# Altium PCB UmTRXv21.PcbDoc (part 10 of 19) (continued)
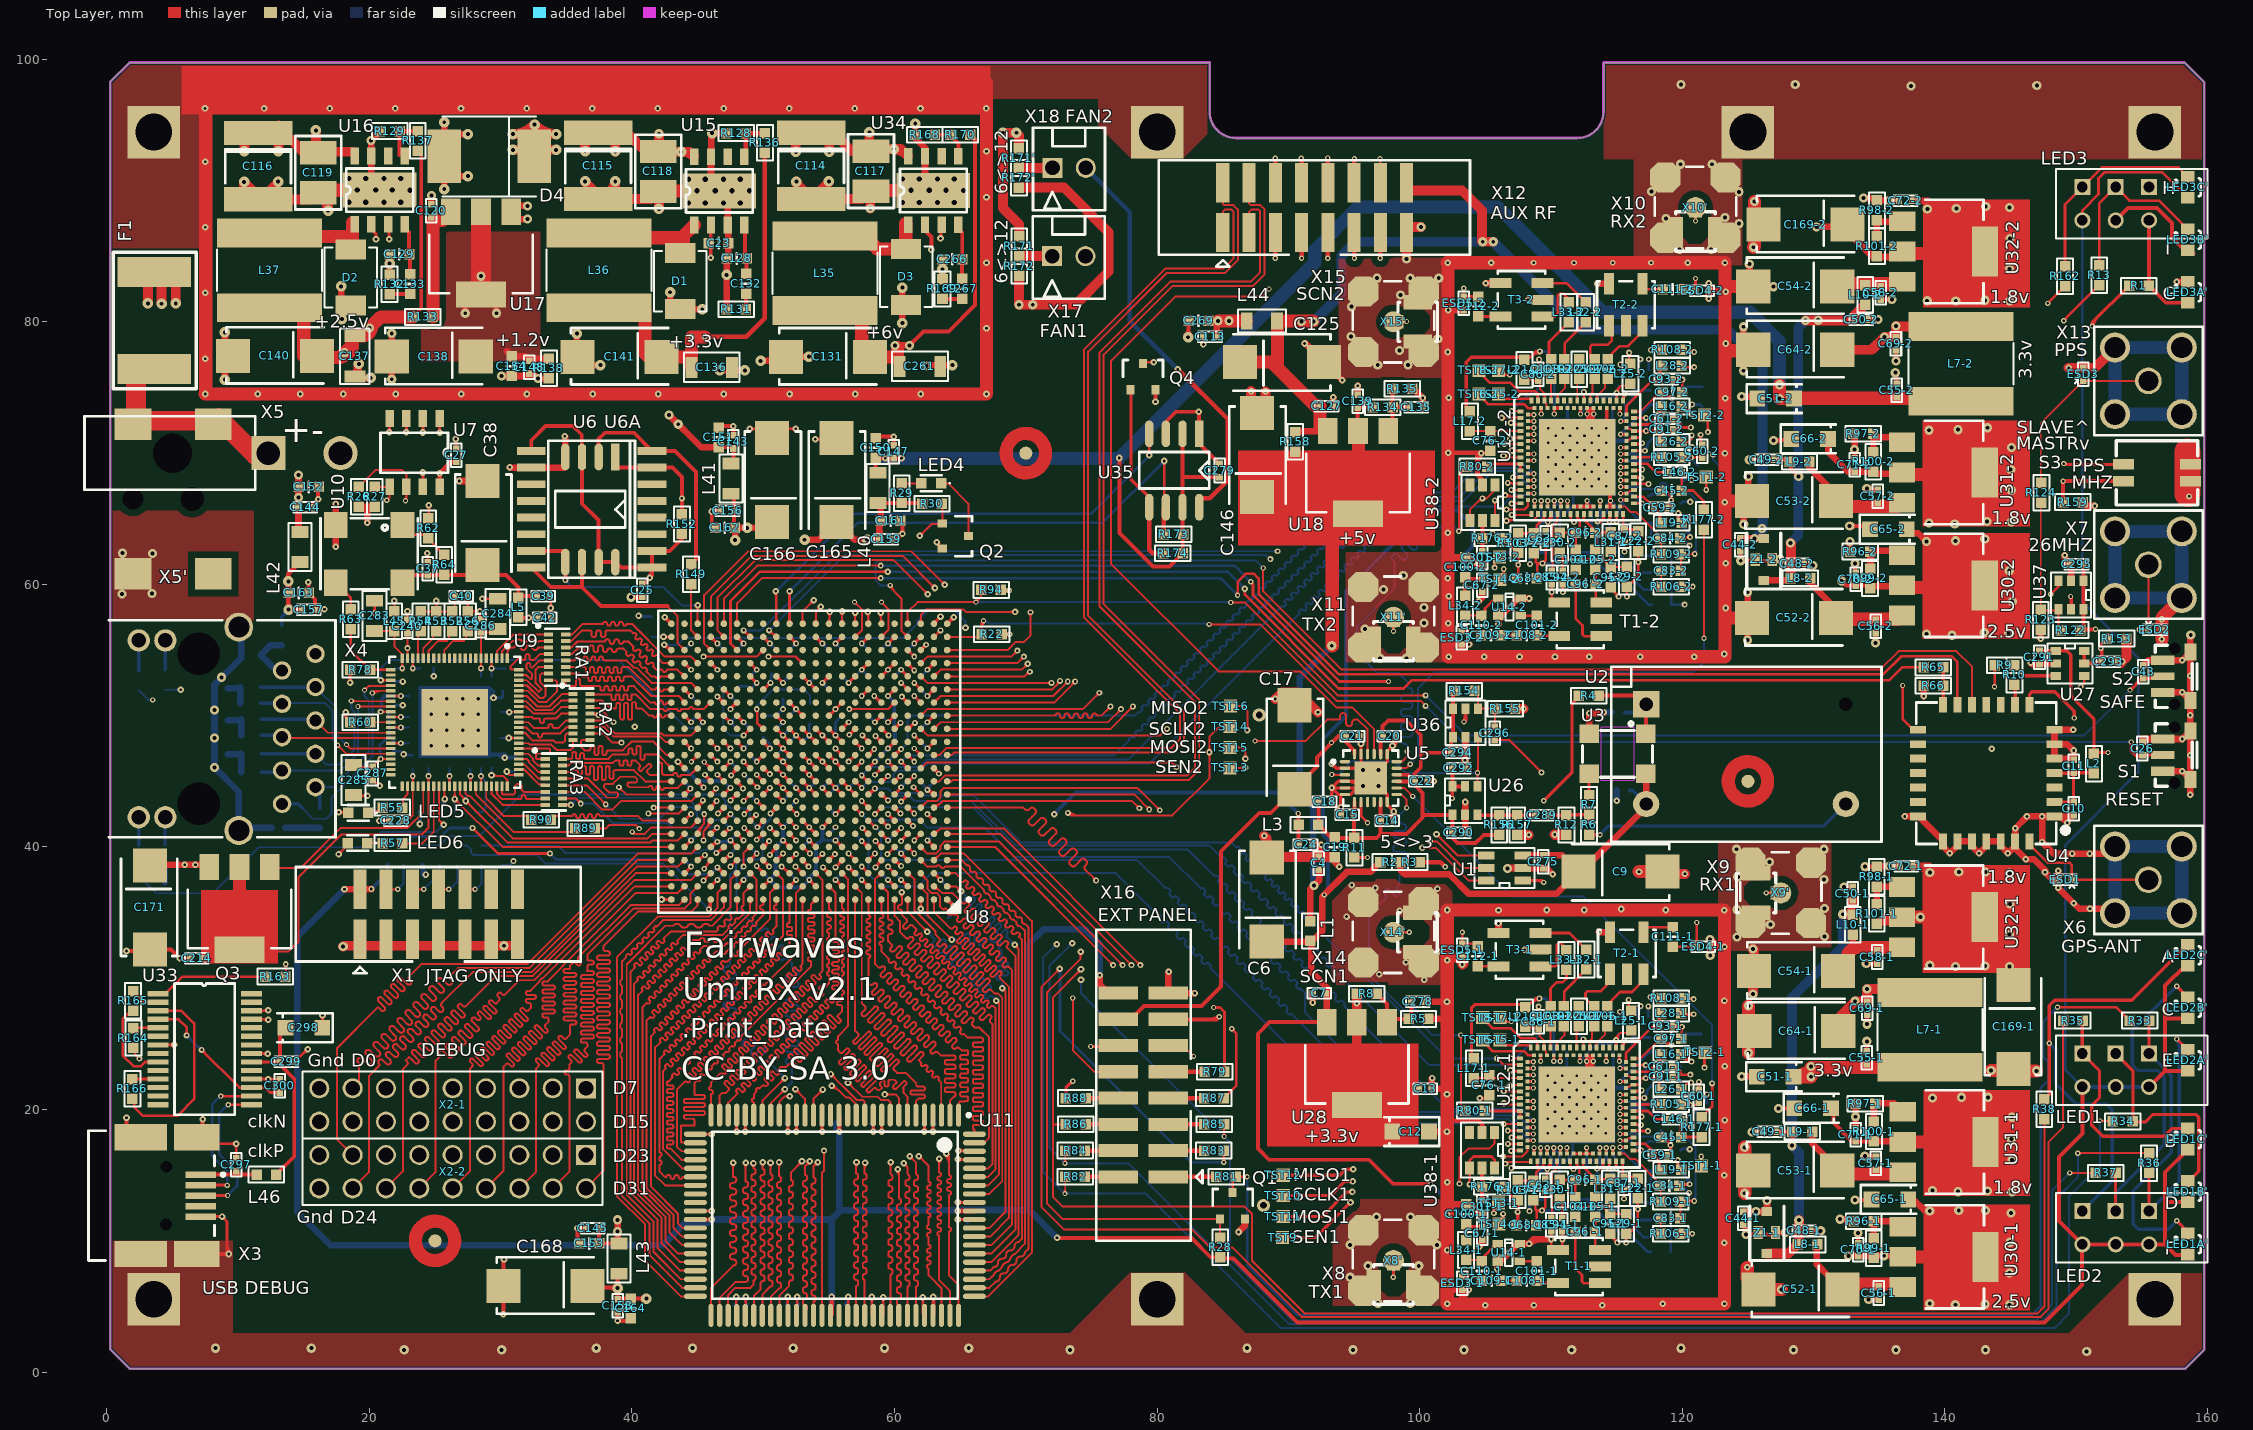
[diagram p0: Top Layer view]
## Nets (pads, with @x,y where several pads share a name; then routed paths per layer and width w, separated by ;. In a path a pad name is that pad's centre, name@x,y a point inside that pad or via, vN(x,y) a via of type N, cw(c..) or ccw(c..) an arc to the next point about the centre after c; other vN are vias at no path point) (continued)
  Bottom Layer w0.25: R43.1@2.425,40.125 2.425,42.266 X4.14@2.428,42.269 X4.14@2.425,42.272
NetR44_1: R44.1 X4.11 | length 2.3
  Bottom Layer w0.25: R44.1@4.425,53.475 4.46,53.51 X4.11@4.46,55.731
NetR45_2: R45.2 U9.25 X4.9 | length 14.9
  Top Layer w0.15: v4(19.625,51.95) 19.95,52.275 21.6,52.275 U9.25@21.625,52.3 ; v4@19.625,52.075 ccw(c19.625,52.377) 19.838,52.163 ccw(c20.052,51.95) v4@19.75,51.95
  Bottom Layer w0.15: X4.9@15.89,44.555 17.262,44.555 19.95,47.243 19.95,51.175 19.625,51.5 v4(19.625,51.95) ; v4@19.537,51.862 cw(c19.323,51.648) 19.625,51.648 cw(c19.927,51.648) v4@19.713,51.862
  Bottom Layer w0.25: X4.9@15.89,44.555 16.225,44.22 R45.2@16.225,42.925
NetR47_2: R47.2 U9.26 X4.10 | length 18.3
  Top Layer w0.15: v4@20.207,51.743 cw(c20.587,51.363) 20.587,51.9 ; v4(20.225,51.725) 20.4,51.9 ; v4@20.244,51.849 ccw(c20.271,52.029) 20.4,51.9 ; v4@20.313,51.637 cw(c20.949,51.001) 20.949,51.9 ; v4@20.349,51.744 cw(c20.529,51.771) 20.4,51.9 ; U9.26@21.625,51.9 20.4,51.9
  Bottom Layer w0.15: R47.2@14.875,42.975 15.7,42.15 16.725,42.15 17.125,42.55 17.125,43.775 20.225,46.875 v4(20.225,51.725) ; v4@20.137,51.637 cw(c19.923,51.423) 20.225,51.423 cw(c20.527,51.423) v4@20.313,51.637
  Bottom Layer w0.25: X4.10@13.35,43.285 14.565,43.285 R47.2@14.875,42.975
NetR48_2: R48.2 U9.28 X4.7 | length 15.7
  Top Layer w0.15: v4(18.625,51.125) 18.65,51.1 U9.28@21.625,51.1 ; v4@18.713,51.037 cw(c18.866,50.884) 18.866,51.1 ; v4@18.713,51.213 ccw(c18.987,51.487) 18.987,51.1
  Bottom Layer w0.15: X4.7@15.89,47.095 16.71,46.275 17.725,46.275 18.85,47.4 18.85,50.3 18.625,50.525 v4(18.625,51.125) ; v4@18.537,51.037 cw(c18.323,50.823) 18.625,50.823 cw(c18.927,50.823) v4@18.713,51.037
  Bottom Layer w0.25: R48.2@11.75,47.1 15.885,47.1 X4.7@15.89,47.095
NetR49_2: R49.2 U9.29 X4.8 | length 15
  Top Layer w0.15: v4(19.125,50.7) U9.29@21.625,50.7 ; v4@19.213,50.612 cw(c19.427,50.398) 19.427,50.7 cw(c19.427,51.002) v4@19.213,50.788
  Bottom Layer w0.15: X4.8@13.35,45.825 17.825,45.825 19.125,47.125 v4(19.125,50.7) ; v4@19.037,50.612 cw(c18.823,50.398) 19.125,50.398 cw(c19.427,50.398) v4@19.213,50.612
  Bottom Layer w0.25: R49.2@11.75,45.7 13.225,45.7 X4.8@13.35,45.825
NetR50_2: R50.2 U9.34 X4.5 | length 10.3
  Top Layer w0.15: X4.5@15.89,49.635 16.825,48.7 U9.34@21.625,48.7
  Bottom Layer w0.25: R50.2@11.75,49.725 15.8,49.725 X4.5@15.89,49.635
NetR51_2: R51.2 U9.35 X4.6 | length 10
  Top Layer w0.15: X4.6@13.35,48.365 13.415,48.3 U9.35@21.625,48.3
  Bottom Layer w0.25: R51.2@11.75,48.5 13.215,48.5 X4.6@13.35,48.365
NetR52_2: R52.2 U9.16 | length 2.9
  Top Layer w0.15: U9.16@24.5,54.375 24.5,54.95 25.25,55.7 25.9,55.7 26.05,55.85 R52.2@26.05,56.25
NetR53_2: R53.2 U9.17 | length 2.5
  Top Layer w0.15: U9.17@24.1,54.375 24.1,55.15 24.85,55.9 24.85,56.2 R53.2@25.1,56.45
NetR54_2: R54.2 U9.18 | length 2.2
  Top Layer w0.15: U9.18@23.7,54.375 23.7,56.25 R54.2@23.9,56.45
NetR55_2: R55.2 U9.44 | length 1.8
  Top Layer w0.15: R55.2@22.55,43 22.55,43.65 22.9,44 U9.44@22.9,44.625
NetR56_2: R56.2 U9.13 | length 3.3
  Top Layer w0.15: U9.13@25.7,54.375 25.7,55 26.4,55.7 27.2,55.7 27.35,55.85 27.35,56.3 R56.2@27.5,56.45
NetR57_2: R57.2 U9.49 | length 6.2
  Top Layer w0.15: R57.2@22.5,40.275 24.025,40.275 24.9,41.15 U9.49@24.9,44.625
NetR58_2: R58.2 U9.37 X4.3 | length 14
  Top Layer w0.15: v4@18.25,47.675 cw(c18.25,47.373) 18.463,47.587 cw(c18.677,47.8) v4@18.375,47.8 ; v4(18.25,47.8) 18.55,47.5 U9.37@21.625,47.5
  Bottom Layer w0.15: X4.3@15.89,52.175 17.5,50.565 17.5,48.55 v4(18.25,47.8) ; v4@18.125,47.8 ccw(c17.823,47.8) 18.037,48.013 ccw(c18.25,48.227) v4@18.25,47.925
  Bottom Layer w0.25: R58.2@11.675,52.175 X4.3@15.89,52.175
NetR59_2: R59.2 U9.38 X4.4 | length 13.9
  Top Layer w0.15: v4@17.575,47.625 cw(c17.575,47.323) 17.788,47.537 cw(c18.002,47.75) v4@17.7,47.75 ; v4(17.575,47.75) 18.225,47.1 U9.38@21.625,47.1
  Bottom Layer w0.15: X4.4@13.305,50.95 16.625,50.95 17.175,50.4 17.175,48.15 v4(17.575,47.75) ; v4@17.45,47.75 ccw(c17.148,47.75) 17.362,47.963 ccw(c17.575,48.177) v4@17.575,47.875
  Bottom Layer w0.25: R59.2@11.675,50.95 13.305,50.95 X4.4@13.35,50.905
NetR60_1: R60.1 U9.32 | length 1.6
  Top Layer w0.15: R60.1@20.05,49.5 U9.32@21.625,49.5
NetR61_1: R61.1 U9.51 | length 4.3
  Top Layer w0.15: v2@25.626,43.774 ccw(c25.448,43.952) 25.7,43.952 ; 25.7,44.193 ccw(c26.293,44.193) v2@25.874,43.774 ; U9.51@25.7,44.625 25.7,43.7 v2(25.75,43.65)
  Bottom Layer w0.15: R61.1@25.55,42.777 cw(c26.579,42.777) v2@25.87,43.523 ; R61.1@25.55,42.8 25.55,43.45 v2(25.75,43.65) ; 25.55,43.126 cw(c26.247,43.126) v2@25.767,43.632 ; 25.55,43.475 cw(c25.916,43.475) v2@25.664,43.741
NetR62_2: R62.2 R64.1 U10.1 | length 4.3
  Top Layer w0.2: U10.1@21.94,64.5 21.94,64.26 U10.1@22.45,63.75 ; U10.1@23.025,63.775 24.225,63.775 R62.2@24.475,63.525 24.525,63.475 24.525,63.425 R64.1@25.7,62.25
NetR63_1: R63.1 U10.3 | length 2.5
  Top Layer w0.2: U10.3@17.435,60.125 18.575,58.985 R63.1@18.575,58.1
NetR63_2: R63.2 R78.1 U9.22 | length 5.3
  Top Layer w0.2: R63.2@18.575,56.6 18.575,54.975 R78.1@20.05,53.5 U9.22@21.625,53.5
NetR65_2: R65.2 R66.2 U4.14 | length 2.9
  Top Layer w0.25: U4.14@139.85,50.825 139.875,50.85 R66.2@139.875,52.275 R65.2@139.875,53.675
NetR79_1: R79.1 X16.9 | length 2.8
  Top Layer w0.35: X16.9@80.85,22.875 R79.1@83.625,22.875
NetR80-1_2: R80-1.2 U12-1.17 U12-1.19 | length 3.2
  Top Layer w0.2: R80-1.2@105.025,19.675 105.238,19.888 U12-1.17@107.632,19.888 U12-1.19@107.632,19.388
NetR80-2_2: R80-2.2 U12-2.17 U12-2.19 | length 3.1
  Top Layer w0.25: R80-2.2@105.125,68.975 105.325,69.175 U12-2.17@107.671,69.175 ; U12-2.19@107.671,68.68 U12-2.17@107.671,69.175 ; U12-2.17@107.671,69.18 U12-2.17@107.671,69.175
NetR81_1: R81.1 X16.1 | length 3.7
  Top Layer w0.35: X16.1@80.85,14.875 R81.1@84.5,14.875
NetR82_1: R82.1 X16.2 | length 2.5
  Top Layer w0.35: R82.1@74.5,14.875 X16.2@77.05,14.875
NetR83_1: R83.1 X16.3 | length 2.7
  Top Layer w0.35: X16.3@80.85,16.875 R83.1@83.575,16.875
NetR84_1: R84.1 X16.4 | length 2.5
  Top Layer w0.35: R84.1@74.5,16.875 X16.4@77.05,16.875
NetR85_1: R85.1 X16.5 | length 2.7
  Top Layer w0.35: X16.5@80.85,18.875 R85.1@83.6,18.875
NetR86_1: R86.1 X16.6 | length 2.5
  Top Layer w0.35: R86.1@74.55,18.875 X16.6@77.05,18.875
NetR87_1: R87.1 X16.7 | length 2.7
  Top Layer w0.35: X16.7@80.85,20.875 R87.1@83.575,20.875
NetR88_1: R88.1 X16.8 | length 2.5
  Top Layer w0.35: R88.1@74.55,20.875 X16.8@77.05,20.875
NetR89_1: R89.1 U9.57 | length 9.5
  Top Layer w0.15: U9.57@28.1,44.625 28.1,44.025 31,41.125 35.375,41.125 R89.1@35.675,41.425
NetR90_2: R90.2 U9.59 | length 5
  Top Layer w0.15: U9.59@28.9,44.625 28.9,43.7 30.25,42.35 R90.2@32.4,42.35
NetR93_1: R93.1 U8.A3 | length 3.6
  Top Layer w0.15: v2@61.876,35.424 ccw(c61.578,35.722) 62,35.722 ccw(c62.422,35.722) v2@62.124,35.424 ; U8.A3@61.876,35.876 cw(c61.578,35.578) 62,35.578 cw(c62.422,35.578) U8.A3@62.124,35.876 ; v2(62,35.3) U8.A3@62,36
  Bottom Layer w0.15: v2@62,35.125 cw(c62,34.944) 62.128,35.072 ; v2(62,35.3) 62,35.2 R93.1@62.6,34.6 ; v2@62.175,35.3 ccw(c62.839,35.3) R93.1@62.369,34.831
NetR96-1_2: R96-1.2 R99-1.1 U30-1.1 | length 3.6
  Top Layer w0.5: R96-1.2@134.489,11.652 134.584,11.557 R96-1.2@134.584,11.496 ; R99-1.1@134.584,10.366 R96-1.2@134.584,11.496 ; U30-1.1@136.338,11.002 136.338,11.496 R96-1.2@134.584,11.496
NetR96-2_2: R96-2.2 R99-2.1 U30-2.1 | length 3.1
  Top Layer w0.5: R96-2.2@134.239,62.647 134.334,62.553 136.088,62.553 U30-2.1@136.088,61.997 ; R99-2.1@134.334,61.361 134.334,61.997
NetR97-1_2: R97-1.2 R100-1.1 U31-1.1 | length 3.9
  Top Layer w0.5: R100-1.1@134.59,19.077 134.59,20.477 136.14,20.477 U31-1.1@136.79,19.827
NetR97-2_2: R97-2.2 R100-2.1 U31-2.1 | length 2.9
  Top Layer w0.5: R97-2.2@134.45,71.2 R97-2.2@134.55,71.2 ; R100-2.1@134.55,69.9 R97-2.2@134.55,71.2 ; R97-2.2@134.55,71.3 R97-2.2@134.55,71.2 ; U31-2.1@136,71.2 R97-2.2@134.55,71.2
NetR98-1_2: R98-1.2 R101-1.1 U32-1.1 | length 3.2
  Top Layer w0.5: R101-1.1@134.8,35.8 R98-1.2@134.8,36.975 ; R98-1.2@134.8,37.072 R98-1.2@134.8,36.975 ; U32-1.1@136.74,36.956 136.74,36.975 R98-1.2@134.8,36.975
NetR98-2_2: R98-2.2 R101-2.1 U32-2.1 | length 3.1
  Top Layer w0.5: R98-2.2@134.7,87.622 136.55,87.622 U32-2.1@136.55,87.5 ; R101-2.1@134.8,86.5 R98-2.2@134.8,87.622
NetR104-1_2: R104-1.2 U12-1.72 | length 4.5
  Top Layer w0.2: v4@115.282,20.138 U12-1.72@115.707,20.138 ; v4@115.328,20.067 cw(c115.498,19.897) 115.498,20.138 cw(c115.498,20.379) v4@115.328,20.209
  Bottom Layer w0.2: v4(115.257,20.138) 117.112,20.138 117.512,19.738 R104-1.2@118.407,19.738 ; v4@115.328,20.067 cw(c115.498,19.897) 115.498,20.138 cw(c115.498,20.379) v4@115.328,20.209
NetR104-2_2: R104-2.2 U12-2.72 | length 4.5
  Top Layer w0.2: v4@115.321,69.43 U12-2.72@115.746,69.43 ; v4@115.367,69.359 cw(c115.537,69.188) 115.537,69.43 cw(c115.537,69.671) v4@115.367,69.501
  Bottom Layer w0.2: v4(115.296,69.43) 118.046,69.43 R104-2.2@118.446,69.03 ; v4@115.367,69.359 cw(c115.537,69.188) 115.537,69.43 cw(c115.537,69.671) v4@115.367,69.501
NetR105-1_2: R105-1.2 U12-1.73 | length 2.2
  Top Layer w0.2: U12-1.73@116.282,20.388 118.232,20.388 R105-1.2@118.407,20.563
NetR105-2_2: R105-2.2 U12-2.73 | length 2.2
  Top Layer w0.2: U12-2.73@116.321,69.68 118.271,69.68 R105-2.2@118.446,69.855
NetR107-1_2: R107-1.2 R114-1.1 | length 1.3
  Bottom Layer w0.2: R107-1.2@106.211,13.108 R114-1.1@107.461,13.108
NetR107-2_2: R107-2.2 R114-2.1 | length 1.3
  Bottom Layer w0.2: R107-2.2@106.25,62.4 R114-2.1@107.5,62.4
NetR108-1_2: R108-1.2 U12-1.89 | length 9.4
  Top Layer w0.2: v4@115.136,23.759 ccw(c114.966,23.93) 115.207,23.93 ccw(c115.448,23.93) v4@115.278,23.759 ; v4@115.207,23.713 U12-1.89@115.207,24.138 ; v1(117.561,28.558) 118.311,28.558 R108-1.2@118.461,28.408 ; v1@117.649,28.47 cw(c117.863,28.256) 117.863,28.558 cw(c117.863,28.86) v1@117.649,28.647
  MidLayer1 w0.2: v4(115.207,23.688) 116.061,24.542 116.061,27.858 116.761,28.558 v1(117.561,28.558) ; v4@115.207,23.788 ccw(c115.207,24.03) 115.378,23.859 ccw(c115.548,23.688) v4@115.307,23.688 ; v1@117.473,28.47 ccw(c117.259,28.256) 117.259,28.558 ccw(c117.259,28.86) v1@117.473,28.647
NetR108-2_2: R108-2.2 U12-2.89 | length 9.4
  Top Layer w0.2: v4@115.175,73.051 ccw(c115.005,73.221) 115.246,73.221 ccw(c115.487,73.221) v4@115.317,73.051 ; v4@115.246,73.005 U12-2.89@115.246,73.43 ; v1(117.6,77.85) 118.35,77.85 R108-2.2@118.5,77.7 ; v1@117.688,77.762 cw(c117.902,77.548) 117.902,77.85 cw(c117.902,78.152) v1@117.688,77.938
  MidLayer1 w0.2: v4(115.246,72.98) 116.1,73.834 116.1,77.15 116.8,77.85 v1(117.6,77.85) ; v4@115.246,73.08 ccw(c115.246,73.321) 115.417,73.151 ccw(c115.587,72.98) v4@115.346,72.98 ; v1@117.512,77.762 ccw(c117.298,77.548) 117.298,77.85 ccw(c117.298,78.152) v1@117.512,77.938
NetR110-1_2: R110-1.2 U12-1.52 | length 10.6
  Top Layer w0.2: v1@113.483,15.439 ccw(c113.574,15.662) 113.744,15.491 ; v1(113.511,15.508) 113.761,15.508 ; v1@113.558,15.624 ccw(c113.697,15.964) 113.957,15.704 ; v1@113.611,15.433 cw(c113.761,15.321) 113.761,15.508 ; v1@113.611,15.583 ccw(c113.761,15.696) 113.761,15.508 ; U12-1.52@113.957,16.063 113.957,15.704 ; 113.761,15.508 113.957,15.704
  Bottom Layer w0.2: v1@113.423,15.42 cw(c113.209,15.206) 113.511,15.206 cw(c113.813,15.206) v1@113.599,15.42 ; v1(113.511,15.508) 113.511,15.158 114.161,14.508 114.161,12.364 117.367,9.158 R110-1.2@117.611,9.158
NetR110-2_2: R110-2.2 U12-2.52 | length 10.6
  Top Layer w0.2: v1@113.522,64.731 ccw(c113.613,64.954) 113.783,64.783 ; v1(113.55,64.8) 113.8,64.8 ; v1@113.597,64.916 ccw(c113.736,65.256) 113.996,64.996 ; v1@113.65,64.725 cw(c113.8,64.613) 113.8,64.8 ; v1@113.65,64.875 ccw(c113.8,64.987) 113.8,64.8 ; U12-2.52@113.996,65.355 113.996,64.996 ; 113.8,64.8 113.996,64.996
  Bottom Layer w0.2: v1@113.462,64.712 cw(c113.248,64.498) 113.55,64.498 cw(c113.852,64.498) v1@113.638,64.712 ; v1(113.55,64.8) 113.55,62.325 117.425,58.45 R110-2.2@117.65,58.45
NetR111-1_2: R111-1.2 U12-1.51 | length 9.9
  Top Layer w0.2: v4@113.636,17.017 cw(c113.466,16.847) 113.707,16.847 cw(c113.948,16.847) v4@113.778,17.017 ; U12-1.51@113.707,16.638 v4@113.707,17.063
  Bottom Layer w0.2: v4@113.636,17.017 cw(c113.466,16.847) 113.707,16.847 cw(c113.948,16.847) v4@113.778,17.017 ; v4(113.707,17.088) 113.707,15.913 113.936,15.684 113.936,15.157 114.561,14.532 114.561,12.758 117.031,10.288 R111-1.2@117.607,10.288
NetR111-2_2: R111-2.2 U12-2.51 | length 9.9
  Top Layer w0.2: v4@113.675,66.309 cw(c113.505,66.138) 113.746,66.138 cw(c113.987,66.138) v4@113.817,66.309 ; U12-2.51@113.746,65.93 v4@113.746,66.355
  Bottom Layer w0.2: v4@113.675,66.309 cw(c113.505,66.138) 113.746,66.138 cw(c113.987,66.138) v4@113.817,66.309 ; v4(113.746,66.38) 113.746,65.205 113.975,64.976 113.975,64.449 114.6,63.824 114.6,62.05 117.07,59.58 R111-2.2@117.646,59.58
NetR112-1_2: R112-1.2 U12-1.54 | length 7.3
  Top Layer w0.2: v1@114.323,15.597 ccw(c113.998,15.921) U12-1.54@114.457,15.921 ; v1(114.411,15.508) 114.311,15.508 114.457,15.654 U12-1.54@114.457,16.063
  Bottom Layer w0.2: v1(114.411,15.508) 114.411,15.439 116.1,13.75 116.1,12.068 116.58,11.588 R112-1.2@117.607,11.588 ; v1@114.536,15.508 ccw(c115.005,15.508) 114.673,15.177
NetR112-2_2: R112-2.2 U12-2.54 | length 7.4
  Top Layer w0.2: v1@114.362,64.888 ccw(c114.037,65.213) U12-2.54@114.496,65.213 ; v1(114.45,64.8) 114.35,64.8 114.496,64.946 U12-2.54@114.496,65.355
  Bottom Layer w0.2: v1@114.362,64.712 cw(c114.148,64.498) 114.45,64.498 cw(c114.752,64.498) v1@114.538,64.712 ; v1(114.45,64.8) 114.45,64.399 114.9,63.949 114.9,62.599 116.619,60.88 R112-2.2@117.646,60.88
NetR113-1_2: R113-1.2 U12-1.56 | length 5.6
  Top Layer w0.2: v1@114.873,15.597 ccw(c114.669,15.8) 114.957,15.8 ; 114.957,15.82 ccw(c115.273,15.82) v1@115.049,15.597 ; U12-1.56@114.957,16.063 114.957,15.512 v1(114.961,15.508)
  Bottom Layer w0.2: v1@114.961,15.383 cw(c114.961,15.081) 115.174,15.295 cw(c115.388,15.508) v1@115.086,15.508 ; v1(114.961,15.508) 116.661,13.808 116.661,13.208 116.981,12.888 R113-1.2@117.607,12.888
NetR113-2_2: R113-2.2 U12-2.56 | length 5.9
  Top Layer w0.2: v1@114.912,64.888 ccw(c114.708,65.092) 114.996,65.092 ; 114.996,65.112 ccw(c115.312,65.112) v1@115.088,64.888 ; U12-2.56@114.996,65.355 114.996,64.804 v1(115,64.8)
  Bottom Layer w0.2: v1(115,64.8) 115.45,64.8 116.7,63.55 116.7,62.5 117.02,62.18 R113-2.2@117.646,62.18 ; v1@115.088,64.712 cw(c115.302,64.498) 115.302,64.8 cw(c115.302,65.102) v1@115.088,64.888
NetR114-1_2: R114-1.2 U12-1.39 | length 7.5
  Top Layer w0.2: v4@110.636,17.017 cw(c110.466,16.847) 110.707,16.847 cw(c110.948,16.847) v4@110.778,17.017 ; U12-1.39@110.707,16.638 v4@110.707,17.063
  Mid-Layer 2 w0.2: v1(107.511,13.858) 107.477,13.858 110.307,16.688 110.373,16.688 110.707,17.022 v4(110.707,17.088) ; v1@107.511,13.983 ccw(c107.511,14.203) 107.667,14.048 ; v1@107.636,13.858 cw(c108.02,13.858) 107.748,14.129 ; 110.49,16.805 ccw(c110.207,17.088) v4@110.607,17.088
  Bottom Layer w0.2: v1@107.423,13.947 ccw(c107.209,14.16) 107.511,14.16 ccw(c107.813,14.16) v1@107.599,13.947 ; R114-1.2@107.461,14.608 107.511,14.558 v1(107.511,13.858)
NetR114-2_2: R114-2.2 U12-2.39 | length 7.5
  Top Layer w0.2: v4@110.675,66.309 cw(c110.505,66.138) 110.746,66.138 cw(c110.987,66.138) v4@110.817,66.309 ; U12-2.39@110.746,65.93 v4@110.746,66.355
  Mid-Layer 2 w0.2: v1(107.55,63.15) 107.516,63.15 110.346,65.98 110.412,65.98 110.746,66.314 v4(110.746,66.38) ; v1@107.55,63.275 ccw(c107.55,63.495) 107.706,63.339 ; v1@107.675,63.15 cw(c108.059,63.15) 107.787,63.421 ; 110.529,66.097 ccw(c110.246,66.38) v4@110.646,66.38
  Bottom Layer w0.2: v1@107.462,63.238 ccw(c107.248,63.452) 107.55,63.452 ccw(c107.852,63.452) v1@107.638,63.238 ; R114-2.2@107.5,63.9 107.55,63.85 v1(107.55,63.15)
NetR122_1: R122.1 R123.1 R124.2 U37.4 | length 11.5
  Top Layer w0.15: R123.1@147.05,58.025 148.577,58.025 U37.4@148.662,58.11 148.662,56.688 R122.1@148.825,56.525 ; R123.1@147.3,58.05 R124.2@147.3,66.225
NetR125-1_1: R125-1.1 U12-1.100 | length 5.6
  Top Layer w0.15: v1@111.955,27.264 ccw(c111.699,27.52) 112.061,27.52 ccw(c112.423,27.52) v1@112.167,27.264 ; v1(112.061,27.158) R125-1.1@112.061,27.858 ; v1@112.355,25.252 cw(c112.109,25.006) 112.457,25.006 ; U12-1.100@112.457,24.713 112.457,25.304 112.461,25.308 v1(112.461,25.358) ; 112.457,24.986 cw(c112.833,24.986) v1@112.567,25.252
  Bottom Layer w0.15: v1@111.955,27.052 cw(c111.699,26.796) 112.061,26.796 cw(c112.423,26.796) v1@112.167,27.052 ; v1(112.061,27.158) 112.061,25.758 v1(112.461,25.358) ; v1@112.311,25.358 ccw(c111.949,25.358) 112.205,25.614 ccw(c112.461,25.87) v1@112.461,25.508
NetR125-1_2: R125-1.2 U12-1.102 | length 1.7
  Top Layer w0.15: U12-1.102@111.957,24.713 111.957,26.254 R125-1.2@112.061,26.358
NetR125-2_1: R125-2.1 U12-2.100 | length 5.6
  Top Layer w0.15: v1@111.994,76.556 ccw(c111.738,76.812) 112.1,76.812 ccw(c112.462,76.812) v1@112.206,76.556 ; v1(112.1,76.45) R125-2.1@112.1,77.15 ; v1@112.394,74.544 cw(c112.148,74.298) 112.496,74.298 ; U12-2.100@112.496,74.005 112.496,74.596 112.5,74.6 v1(112.5,74.65) ; 112.496,74.278 cw(c112.872,74.278) v1@112.606,74.544
  Bottom Layer w0.15: v1@111.994,76.344 cw(c111.738,76.088) 112.1,76.088 cw(c112.462,76.088) v1@112.206,76.344 ; v1(112.1,76.45) 112.1,75.05 v1(112.5,74.65) ; v1@112.35,74.65 ccw(c111.988,74.65) 112.244,74.906 ccw(c112.5,75.162) v1@112.5,74.8
NetR125-2_2: R125-2.2 U12-2.102 | length 1.7
  Top Layer w0.15: U12-2.102@111.996,74.005 111.996,75.546 R125-2.2@112.1,75.65
NetR128_2: R128.2 R136.2 U15.5 | length 3.2
  Top Layer w0.35: U15.5@48.675,92.605 R128.2@48.675,94.375 R136.2@50.125,94.375
NetR129_2: R129.2 R137.2 U16.5 | length 3.2
  Top Layer w0.3: 22.3,92.689 R129.2@22.3,94.525 R137.2@23.675,94.525
NetR149_2: R149.2 U6.2 U6A.8 | length 18.1
  Top Layer w0.15: U6A.8@40.805,70.17 U6A.8@41.525,70.17
  Top Layer w0.3: U6.2@37.46,69.7 37.46,71.06 37.95,71.55 40.145,71.55 41.52,70.175 43.275,70.175 44.875,68.575 44.875,61.9 R149.2@44.5,61.525
NetR163_2: R163.2 U33.1 | length 8.7
  Top Layer w0.2: U33.1@3.9,28.825 4.45,28.825 5.75,30.125 R163.2@12.075,30.125
NetR164_2: R164.2 U33.5 | length 1.7
  Top Layer w0.2: R164.2@2.2,26.225 U33.5@3.9,26.225
NetR165_1: R165.1 U33.2 | length 2.2
  Top Layer w0.2: R165.1@2,29 2.825,28.175 U33.2@3.9,28.175
NetR165_2: R165.2 U33.9 | length 7
  Top Layer w0.2: R165.2@1.975,27.462 1.762,27.462 1.2,26.9 1.2,24.125 2.025,23.3 2.6,23.3 2.925,23.625 U33.9@3.9,23.625
NetR166_1: R166.1 U33.3 | length 14.9
  Top Layer w0.2: R166.1@2.1,20.825 2.1,20.175 2.75,19.525 5.375,19.525 6.65,20.8 6.65,26.55 5.675,27.525 U33.3@3.9,27.525
NetR166_2: R166.2 U33.11 | length 1.8
  Top Layer w0.2: R166.2@2.1,22.325 U33.11@3.9,22.325
NetR168_2: R168.2 R170.2 U34.5 | length 3.3
  Top Layer w0.3: R168.2@63.05,94.25 R170.2@64.25,94.25 64.25,94.175 64.855,93.57 U34.5@64.855,92.605 64.86,92.6 65,92.6 U34.5@65,92.575
NetR171'_2: R171'.2 R172'.2 X18.1 | length 2.6
  Top Layer w0.75: R171'.2@69.475,91.725 X18.1@72.025,91.725
NetR171_2: R171.2 R172.2 X17.1 | length 2.6
  Top Layer w0.75: R171.2@69.5,85 X17.1@72,85 X17.1@71.975,84.975
  Bottom Layer w0.75: X17.1@72,85 X17.1@72.025,85.025
NetRA1_1: RA1.1 U9.3 | length 5
  Top Layer w0.15: U9.3@29.7,54.375 29.7,54.9 31,56.2 RA1.1@33.65,56.2
NetRA1_2: RA1.2 U9.2 | length 4.6
  Top Layer w0.15: U9.2@30.1,54.375 30.1,54.9 30.9,55.7 31.15,55.7 cw(c31.375,55.497) 31.6,55.7 ccw(c31.825,55.903) 32.05,55.7 cw(c32.275,55.497) 32.5,55.7 ccw(c32.725,55.903) 32.95,55.7 RA1.2@33.65,55.7
NetRA1_3: RA1.3 U9.1 | length 4.6
  Top Layer w0.15: U9.1@30.5,54.375 30.5,54.9 30.8,55.2 31.05,55.2 cw(c31.275,55.173) 31.5,55.2 ccw(c31.725,55.227) 31.95,55.2 cw(c32.175,55.173) 32.4,55.2 ccw(c32.625,55.227) 32.85,55.2 RA1.3@33.65,55.2
NetRA1_4: RA1.4 U9.84 | length 4.9
  Top Layer w0.15: U9.84@31.375,53.5 30.8,53.5 30.75,53.55 30.75,53.75 31.35,54.35 31.604,54.35 31.704,54.25 31.75,54.25 ccw(c31.75,54.4) 31.9,54.4 31.9,54.547 cw(c32.05,54.547) 32.05,54.697 cw(c32.05,54.547) 32.2,54.547 32.2,54.4 ccw(c32.35,54.4) 32.35,54.25 32.55,54.25 33,54.7 RA1.4@33.65,54.7
NetRA1_5: RA1.5 U9.83 | length 4.6
  Top Layer w0.15: U9.83@31.375,53.1 31.95,53.1 32.25,52.8 32.35,52.8 32.4,52.85 32.4,53.15 31.975,53.575 31.975,53.925 32.05,54 32.2,54 32.25,53.95 32.25,53.75 32.35,53.65 32.4,53.65 32.95,54.2 RA1.5@33.65,54.2
NetRA1_6: RA1.6 U9.82 | length 4.9
  Top Layer w0.15: U9.82@31.375,52.7 31.996,52.7 32.846,51.85 32.95,51.85 33.1,52 33.1,52.05 32.65,52.5 32.65,53.5 32.85,53.7 RA1.6@33.65,53.7
NetRA1_7: RA1.7 U9.81 | length 4.9
  Top Layer w0.15: U9.81@31.375,52.3 32.004,52.3 32.954,51.35 33.25,51.35 33.4,51.5 33.4,52.15 33,52.55 33,53.1 33.1,53.2 RA1.7@33.65,53.2
NetRA1_8: RA1.8 U9.80 | length 5
  Top Layer w0.15: U9.80@31.375,51.9 32.05,51.9 32.9,51.05 33.5,51.05 34.3,51.85 34.3,52.6 34.2,52.7 RA1.8@33.65,52.7
NetRA2_1: RA2.1 U9.79 | length 4.8
  Top Layer w0.15: U9.79@31.375,51.5 32,51.5 32.8,50.7 33.7,50.7 34.65,51.65 RA2.1@35.5,51.65
NetRA2_2: RA2.2 U9.78 | length 4.7
  Top Layer w0.15: U9.78@31.375,51.1 31.95,51.1 32.6,50.45 33.9,50.45 34.6,51.15 RA2.2@35.5,51.15
NetRA2_3: RA2.3 U9.77 | length 4.6
  Top Layer w0.15: U9.77@31.375,50.7 31.95,50.7 32.5,50.15 34.1,50.15 34.6,50.65 RA2.3@35.5,50.65
NetRA2_4: RA2.4 U9.75 | length 4.8
  Top Layer w0.15: U9.75@31.375,49.9 32.35,49.9 32.45,49.8 32.865,49.8 cw(c32.865,49.665) 33,49.665 33,49.587 ccw(c33.135,49.587) 33.135,49.452 33.165,49.452 ccw(c33.165,49.587) 33.3,49.587 33.3,49.665 cw(c33.435,49.665) 33.435,49.8 34.25,49.8 34.6,50.15 RA2.4@35.5,50.15
NetRA2_5: RA2.5 U9.74 | length 4.9
  Top Layer w0.15: U9.74@31.375,49.5 32.1,49.5 32.55,49.05 33.515,49.05 ccw(c33.515,49.185) 33.65,49.185 33.65,49.215 cw(c33.785,49.215) 33.785,49.35 33.815,49.35 cw(c33.815,49.215) 33.95,49.215 33.95,49.185 ccw(c34.085,49.185) 34.085,49.05 34.4,49.05 35,49.65 RA2.5@35.5,49.65
NetRA2_6: RA2.6 U9.73 | length 4.9
  Top Layer w0.15: U9.73@31.375,49.1 31.95,49.1 32.4,48.65 32.715,48.65 cw(c32.715,48.515) 32.85,48.515 32.85,48.485 ccw(c32.985,48.485) 32.985,48.35 33.015,48.35 ccw(c33.015,48.485) 33.15,48.485 33.15,48.515 cw(c33.285,48.515) 33.285,48.65 34.55,48.65 35.05,49.15 RA2.6@35.5,49.15
NetRA2_7: RA2.7 U9.72 | length 5
  Top Layer w0.15: U9.72@31.375,48.7 31.85,48.7 32.45,48.1 34.05,48.1 34.2,47.95 34.75,47.95 34.9,48.1 34.9,48.5 35.05,48.65 RA2.7@35.5,48.65
NetRA2_8: RA2.8 U9.70 | length 5
  Top Layer w0.15: U9.70@31.375,47.9 32.1,47.9 32.2,47.8 33.85,47.8 34.25,47.4 35.35,47.4 35.5,47.55 RA2.8@35.5,48.15
NetRA3_1: RA3.1 U9.69 | length 4.8
  Top Layer w0.15: U9.69@31.375,47.5 33.7,47.5 33.75,47.45 33.75,47.15 33.7,47.1 32.75,47.1 32.7,47.05 32.7,46.75 32.75,46.7 RA3.1@33.4,46.7
NetRA3_2: RA3.2 U9.68 | length 2.5
  Top Layer w0.15: U9.68@31.375,47.1 32.1,47.1 32.45,46.75 32.45,46.6 32.85,46.2 RA3.2@33.4,46.2
NetRA3_3: RA3.3 U9.67 | length 2.5
  Top Layer w0.15: U9.67@31.375,46.7 32,46.7 32.15,46.55 32.15,46.45 32.9,45.7 RA3.3@33.4,45.7
NetRA3_4: RA3.4 U9.66 | length 2.5
  Top Layer w0.15: U9.66@31.375,46.3 31.8,46.3 32.9,45.2 RA3.4@33.4,45.2
NetRA3_5: RA3.5 U9.65 | length 2.5
  Top Layer w0.15: U9.65@31.375,45.9 31.8,45.9 32.95,44.75 RA3.5@33.35,44.75
NetRA3_6: RA3.6 U9.62 | length 5
  Top Layer w0.15: U9.62@30.1,44.625 30.1,44.05 30.15,44 31,44 31.1,44.1 31.1,44.65 31.25,44.8 31.446,44.8 31.5,44.746 31.5,44.743 31.6,44.643 31.6,44.35 31.75,44.2 RA3.6@33.4,44.2
NetRA3_7: RA3.7 U9.61 | length 4.8
  Top Layer w0.15: U9.61@29.7,44.625 29.7,44.05 30.1,43.65 31.465,43.65 ccw(c31.465,43.785) 31.6,43.785 31.6,43.815 cw(c31.735,43.815) 31.735,43.95 31.765,43.95 cw(c31.765,43.815) 31.9,43.815 31.9,43.785 ccw(c32.035,43.785) 32.035,43.65 33.35,43.65 RA3.7@33.4,43.7
NetRA3_8: RA3.8 U9.60 | length 5
  Top Layer w0.15: U9.60@29.3,44.625 29.3,44.05 30.15,43.2 RA3.8@33.4,43.2
NetTST1-1_1: TST1-1.1 U12-1.65 | length 7.6
  Top Layer w0.2: U12-1.65@116.282,18.388 116.941,18.388 116.961,18.368 117.386,18.368 v1(117.386,18.358) ; 117.062,18.368 cw(c117.062,18.034) v1@117.298,18.27 ; 117.107,18.368 ccw(c117.107,18.637) v1@117.298,18.447
  MidLayer1 w0.2: v1@117.342,18.408 119.782,18.408 121.016,17.174 121.016,16.852 v1@121.461,16.407 ; v1@117.474,18.27 cw(c117.809,17.936) 117.809,18.408 ; v1@121.318,16.425 ccw(c121.016,16.425) 121.23,16.638 ccw(c121.443,16.851) v1@121.443,16.55
  other v1: 121.443,16.425
NetTST1-2_1: TST1-2.1 U12-2.65 | length 8.5
  Top Layer w0.2: U12-2.65@116.321,67.68 116.98,67.68 117,67.659 117.425,67.659 v1(117.425,67.65) ; 117.101,67.659 cw(c117.101,67.326) v1@117.337,67.562 ; 117.146,67.659 ccw(c117.146,67.929) v1@117.337,67.738 ; v1@121.737,67.288 ccw(c121.523,67.502) 121.825,67.502 ccw(c122.127,67.502) v1@121.913,67.288 ; v1(121.825,67.2) TST1-2.1@121.825,68.175
  MidLayer1 w0.2: v1@117.381,67.7 120.025,67.7 120.525,67.2 v1(121.825,67.2) ; v1@117.513,67.562 cw(c117.847,67.228) 117.847,67.7 ; v1@121.737,67.112 ccw(c121.523,66.898) 121.523,67.2 ccw(c121.523,67.502) v1@121.737,67.288
NetTST2-1_1: TST2-1.1 U12-1.77 | length 10.1
  Top Layer w0.2: U12-1.77@116.282,21.388 116.841,21.388 v1(116.911,21.458) ; U12-1.77@116.44,21.388 ccw(c116.44,21.929) v1@116.823,21.547 ; v1@121.598,23.278 ccw(c121.384,23.491) 121.686,23.491 ccw(c121.988,23.491) v1@121.774,23.278 ; v1(121.686,23.189) 121.686,24.125 TST2-1.1@121.911,24.35
  MidLayer1 w0.2: v1(116.911,21.458) 117.028,21.575 121.329,21.575 121.686,21.932 v1(121.686,23.189) ; v1@116.999,21.37 cw(c117.495,20.875) 117.495,21.575 ; v1@121.598,23.101 cw(c121.384,22.887) 121.686,22.887 cw(c121.988,22.887) v1@121.774,23.101
NetTST2-2_1: TST2-2.1 U12-2.77 | length 9.2
  Top Layer w0.2: U12-2.77@116.321,70.68 116.88,70.68 v1(116.95,70.75) ; U12-2.77@116.479,70.68 ccw(c116.479,71.221) v1@116.862,70.838 ; TST2-2.1@121.7,72.9 121.95,72.65 v1(121.95,71.6) ; v1@121.862,71.688 ccw(c121.648,71.902) 121.95,71.902 ccw(c122.252,71.902) v1@122.038,71.688
  MidLayer1 w0.2: v1(116.95,70.75) 117.075,70.875 121.476,70.875 121.95,71.349 v1@121.95,71.441 ; v1@117.038,70.662 cw(c117.554,70.146) 117.554,70.875 ; v1@121.875,71.5 cw(c121.76,71.349) 121.95,71.349 cw(c122.14,71.349) v1@122.025,71.5
NetTST3-1_1: TST3-1.1 U12-1.41 | length 11.7
  Top Layer w0.15: v1@105.544,12.206 ccw(c105.288,12.462) 105.65,12.462 ccw(c106.012,12.462) v1@105.756,12.206 ; v1(105.65,12.1) 105.65,12.525 TST3-1.1@106,12.875 TST3-1.1@106,13.175
  Top Layer w0.2: v4@111.136,17.017 cw(c110.966,16.847) 111.207,16.847 cw(c111.448,16.847) v4@111.278,17.017 ; U12-1.41@111.207,16.638 v4@111.207,17.063
  Mid-Layer 2 w0.15: v1(105.65,12.1) 106.658,13.108 107.961,13.108 111.207,16.354 v4(111.207,17.088) ; v1@105.65,12.25 ccw(c105.65,12.612) 105.906,12.356 ccw(c106.162,12.1) v1@105.8,12.1 ; v4@111.119,17 cw(c110.905,16.786) 111.207,16.786 cw(c111.509,16.786) v4@111.295,17
NetTST3-2_1: TST3-2.1 U12-2.41 | length 12.2
  Top Layer w0.15: v1@105.594,61.381 ccw(c105.338,61.637) 105.7,61.637 ccw(c106.062,61.637) v1@105.806,61.381 ; v1(105.7,61.275) 105.7,61.7 TST3-2.1@106.075,62.075 TST3-2.1@106.075,62.5 ; v4@111.162,66.262 cw(c110.948,66.048) 111.25,66.048 cw(c111.552,66.048) v4@111.338,66.262 ; U12-2.41@111.246,65.93 111.25,65.934 v4(111.25,66.35)
  Mid-Layer 2 w0.15: v1@105.594,61.381 ccw(c105.338,61.637) 105.7,61.637 ccw(c106.062,61.637) v1@105.806,61.381 ; v1(105.7,61.275) 105.7,61.7 106.4,62.4 108,62.4 111.246,65.646 v4@111.246,66.38 ; v4@111.162,66.262 cw(c110.958,66.058) 111.246,66.058 ; 111.246,66.038 cw(c111.562,66.038) v4@111.338,66.262
NetTST4-1_1: TST4-1.1 U12-1.42 | length 10.4
  Top Layer w0.15: v1@106.244,11.944 cw(c105.961,11.661) TST4-1.1@106.361,11.661 ; v1(106.35,12.05) 106.361,12.039 TST4-1.1@106.361,11.108 ; TST4-1.1@106.361,11.715 cw(c106.685,11.715) v1@106.456,11.944
  Top Layer w0.2: U12-1.42@111.457,16.063 111.457,15.662 ; v1@111.694,15.582 cw(c111.657,15.862) 111.457,15.662 ; v1(111.711,15.458) 111.661,15.458 111.457,15.662
  Mid-Layer 2 w0.15: v1(106.35,12.05) 107.058,12.758 108.211,12.758 110.261,14.808 111.061,14.808 v1(111.711,15.458) ; v1@106.35,12.2 ccw(c106.35,12.562) 106.606,12.306 ccw(c106.862,12.05) v1@106.5,12.05 ; v1@111.561,15.458 cw(c111.199,15.458) 111.455,15.202 cw(c111.711,14.946) v1@111.711,15.308